# Altium PCB FD-KL-ASM-SUB-PCBA-MAIN.PcbDoc (part 2 of 4) (continued)
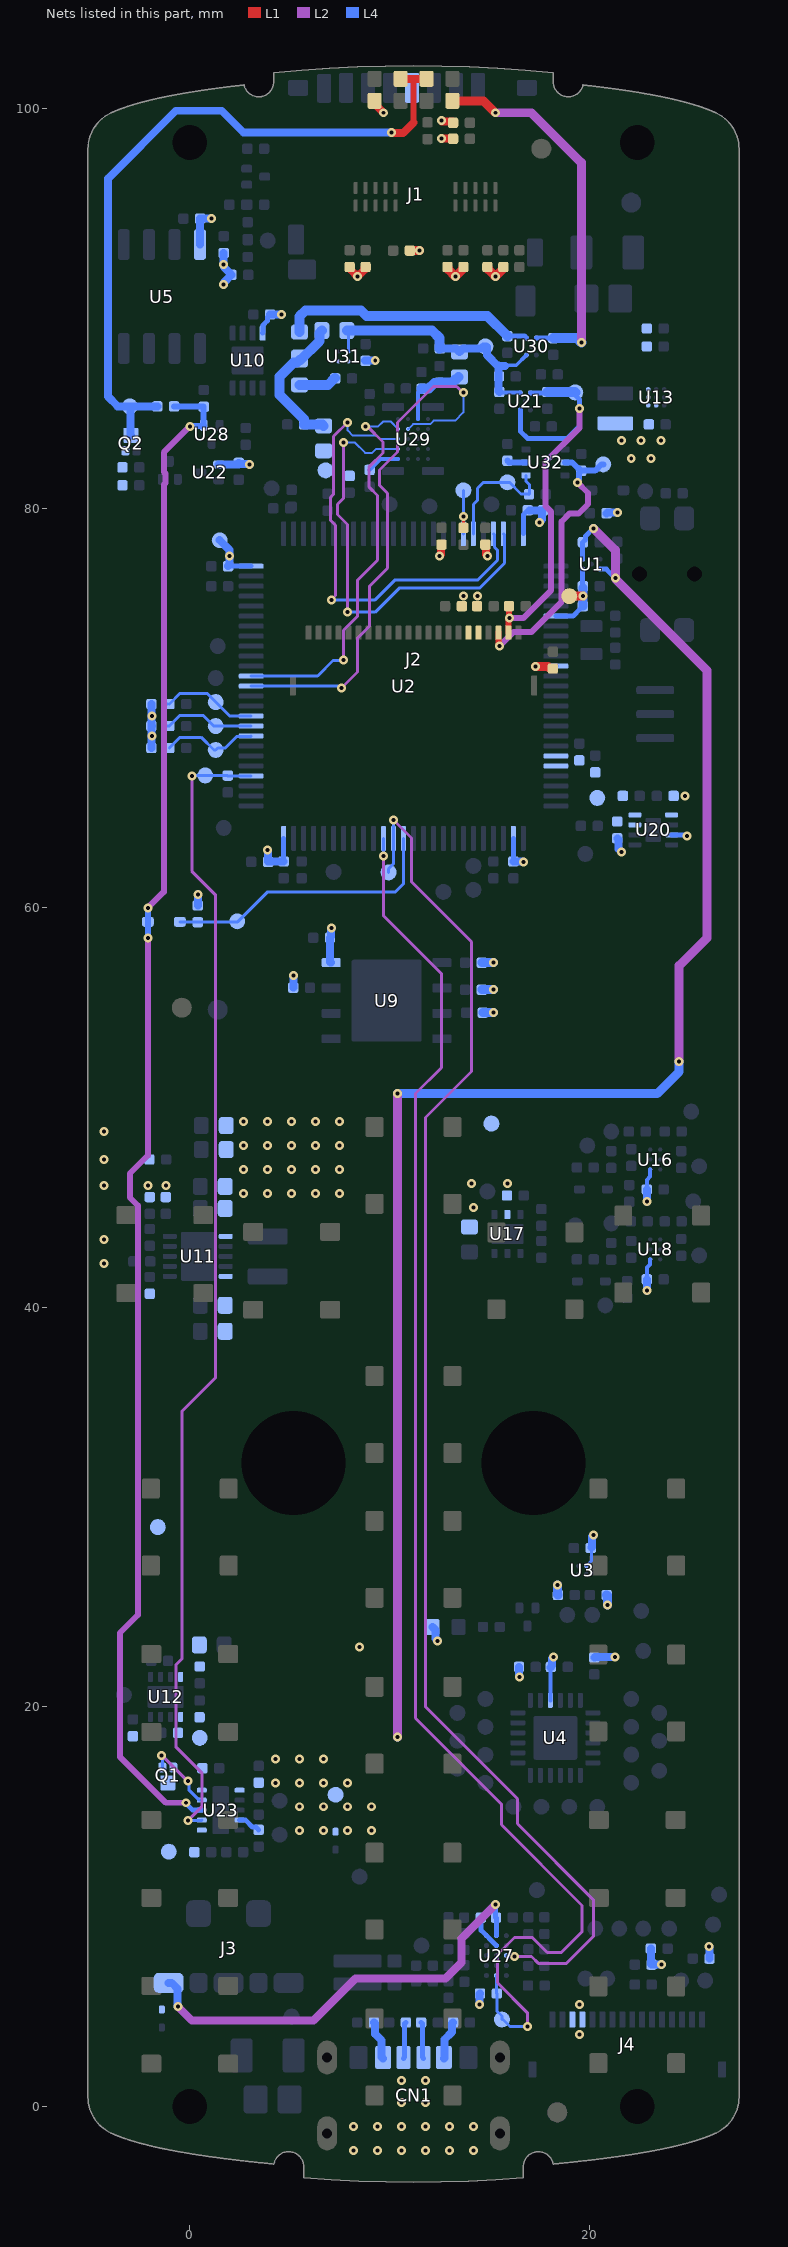
[diagram p4: the nets of this part, all layers, seen from the top]
## Part data (continued)
SW1 SW2 SW3 SW4 SW5 SW6 SW7 SW8 SW9 SW10 SW11 SW12 SW13 SW14 SW15 SW16 SW17 SW18: library part CMP-SWH-00003-1, "Tactile Switch SPST-NO Top Actuated Surface Mount", Contact Current(DC)-Max=50mA, Contact DC Max Rating R Load=0.05A@12VDC, Contact Resistance=0.05mR, Contact Voltage(DC)-Max=12V, Dielectric Withstand Volts=250VACV, Insulation Resistance=100MR, Manufacturer Series=PTS530, Max Operating Temperature=85°C, Min Operating Temperature=-40°C, Actuator Travel=0.2032mm, Actuator Type=Pushbutton, Body Breadth=4.4958inch, Body Height=0.5588mm, Body Length or Diameter=4.4958mm, ComponentLink1Description=Datasheet, ComponentLink1URL=https://www.ckswitches.com/media/1469/pts530.pdf, Electrical Life=1000000Cycles, JESD-609 Code=e4, Mount="Surface Mount", REACH SVHC=Yes, RoHS Compliant=Yes, Switch Action=MOMENTARY, Switch Function=SPST, Switch Type=Keypad, Terminal Finish=Silver, Termination=Solder
SW19: library part CMP-SWH-00004-1, "Tactile Switch SPST-NO Side Actuated Surface Mount, Right Angle", ComponentLink1Description=Drawing, ComponentLink1URL=http://spec_sheets.e-switch.com/specs/P410002.pdf, JESD-609 Code=e4, REACH SVHC=Yes, RoHS Compliant=Yes, Switch Type=Keypad, Terminal Finish=Silver
TP1 TP2 TP3 TP4 TP5 TP6 TP7 TP8 TP9 TP10 TP11 TP12 TP13 TP14 TP15 TP16 TP17 TP18 TP19 TP20 TP21 TP22 TP23 TP24 TP25 TP26 TP27 TP28 TP29 TP30 TP31 TP32 TP33 TP34 TP35 TP36 TP37 TP38 TP39 TP40 TP41 TP42 TP43 TP44 TP45 TP46 TP47 TP48 TP49 TP50 TP51 TP52 TP53 TP54 TP55 TP56 TP57 TP58 TP59 TP60 TP61 TP62 TP63 TP64 TP65 TP66 TP67 TP68 TP69 TP70 TP71 TP72 TP73 TP74 TP75 TP76 TP77 TP78 TP79 TP80 TP81 TP82 TP83 TP84 TP85: library part CMP-MECH-00011-2, "0.8mm round", Pins=1
U1: library part CMP-PMIC-00064-2, "Linear Voltage Regulator IC Positive Fixed 1 Output 2.0V 200mA 5-DSBGA (1x1.37)", Dropout Voltage1-Max=175mV, Dropout Voltage1-Nom=100mV, Input Voltage Absolute-Max=7V, Max Input Voltage=6.5V, Min Input Voltage=2.7V, Operating Temperature, TJ-Max=125°C, Operating Temperature, TJ-Min=-40°C, Output Current1-Max=200mA, Output Voltage1-Max=2.04V, Output Voltage1-Min=1.96V, Output Voltage1-Nom=2V, Package Code=VFBGA, Package Shape=Rectangular, Package Style="GRID ARRAY, VERY THIN PROFILE, FINE PITCHMeter", Peak Reflow Temperature (Cel)=260°C, Voltage Tolerance-Max=2%, Adjustability=FIXED, ComponentLink1Description=Datasheet, ComponentLink1URL=https://www.ti.com/lit/ds/sbvs056k/sbvs056k.pdf, Height - Seated (Max)=0.625mm, JESD-609 Code=e1, Length=1.53mm, Moisture Sensitivity Level=1, Number of Functions=1, Number of Outputs=1, Number of Terminals/Pins=5, Packaging="Tape and Reel", Qualification Status="Not Qualified", REACH SVHC=Yes, Regulator Type="FIXED POSITIVE SINGLE OUTPUT LDO REGULATOR", RoHS Compliant=Yes, Surface Mount=Yes, Technology=BICMOS, Terminal Finish=Copper, Terminal Form=Ball, Terminal Pitch=0.5mm, Terminal Position=BOTTOM, Width=1.195mm
U2: library part CMP-IC-CPU-00008-1, "ARM® Cortex®-M7 STM32H7 Microcontroller IC 32-Bit 480MHz 2MB (2M x 8) FLASH 100-LQFP (14x14)", Case/Package=LQFP, Max Frequency=400MHz, Max Operating Temperature=85°C, Max Supply Voltage=3.6V, Min Operating Temperature=-40°C, Min Supply Voltage=1.71V, Package Quantity=540, ComponentLink1Description=Datasheet, ComponentLink1URL=https://www.st.com/content/ccc/resource/technical/document/datasheet/group3/01/21/00/39/12/c9/4c/f1/DM00388325/files/DM00388325.pdf/jcr:content/translations/en.DM00388325.pdf, ComponentLink2Description="Reference Manual", ComponentLink2URL=https://www.st.com/resource/en/reference_manual/dm00314099-stm32h742-stm32h743-753-and-stm32h750-value-line-advanced-arm-based-32-bit-mcus-stmicroelectronics.pdf, ComponentLink3Description=Errata, ComponentLink3URL=https://www.st.com/resource/en/errata_sheet/dm00399555-stm32h750xb-and-stm32h753xi-device-limitations-stmicroelectronics.pdf, Core Architecture=ARM, Data Bus Width=32b, Interface=I2C,SPI,USB,CAN,SDIO,USART, Memory Size=2MB, Memory Type=FLASH, Number of ADC Channels=20, Number of I/Os=82, RAM Size=1MB
U3: library part CMP-IC-MEM-0006-1, "EEPROM Memory IC 4Kb (512 x 8) I²C 400kHz 900ns 4-WLCSP (0.84x0.86)", Frequency=400kHz, Max Operating Temperature=85°C, Max Supply Voltage=5.5V, Min Operating Temperature=-40°C, Min Supply Voltage=1.7V, Nominal Supply Current=2mA, Package Quantity=5000, Access Time=900ns, ComponentLink1Description=Datasheet, ComponentLink1URL=https://www.onsemi.com/pub/Collateral/CAT24C01-D.PDF, Density=4Kb, Halogen Free="Halogen Free", Interface=I2C,Serial,2-Wire, Lead Free="Lead Free", Max Frequency=400kHz, Memory Size=4KB, Memory Type=EEPROM, Mount="Surface Mount", Number of Pins=4, Packaging="Tape and Reel", Radiation Hardening=No
U4: library part CMP-IC-INT-0000-10, "I/O Expander 18 I²C 400kHz 24-LFCSP-WQ (4x4)", Case/Package="24-LFCSP-WQ (4x4)", Frequency=400kHz, Max Operating Temperature=85°C, Max Supply Current=200uA, Max Supply Voltage=3.6V, Min Operating Temperature=-40°C, Min Supply Voltage=1.65V, Package Quantity=1500, ComponentLink1Description=Datasheet, ComponentLink1URL=https://www.analog.com/media/en/technical-documentation/data-sheets/ADP5587.pdf, Interface=I2C, Lead Free="Contains Lead", Max Frequency=400kHz, Mount="Surface Mount", Nominal Supply Current=200uA, Number of I/Os=18, Number of Pins=24, Packaging="Tape and Reel", REACH SVHC="No SVHC"
U5: library part CMP-IC-MEM-0020-1, "Cryptographic Co-Processor with Secure Hardware-Based Key Storage 1-Wire Interface 8-Pin SOIC T/R", Case/Package="8-UDFN (2x3)", Max Operating Temperature=85°C, Min Operating Temperature=-40°C, Package Body Material=Plastic, Package Code=SOP, Package Shape=Rectangular, Package Style="SMALL OUTLINEMeter", Supply Voltage-Max (Vsup)=5.5V, Supply Voltage-Min (Vsup)=2V, Temperature Grade=INDUSTRIAL, Consumer IC Type="CONSUMER CIRCUIT", Height - Seated (Max)=1.75mm, JESD-30 Code=R-PDSO-G8, Length=4.9mm, Number of Functions=1, Number of Terminals/Pins=8, REACH SVHC=Yes, RoHS Compliant=No, Surface Mount=Yes, Technology=CMOS, Terminal Form="Gull Wing", Terminal Pitch=1.27mm, Terminal Position=DUAL, Width=3.9mm
U6 U7: library part CMP-DIO-0006-4, "TVS DIODE 3.3V 5V DFN2510A-10", Capacitance @ Frequency="0.17pF @ 1MHz", Case/Package=DFN2510A-10, Max Operating Temperature=85°C, Min Operating Temperature=-40°C, Bidirectional Channels=4, ComponentLink1Description=Datasheet, ComponentLink1URL=https://assets.nexperia.com/documents/data-sheet/PUSB3AB4.pdf, Type=Zener
U8 U14 U22 U26 U28: library part CMP-TRNST-0003-1, "N-Channel 20V 210mA (Ta) 310mW (Ta) Surface Mount SOT-723", Case/Package=SOT-723-3, Continuous Drain Current (ID)=210mA, Current Rating=225mA, Drain to Source Breakdown Voltage=20V, Drain to Source Resistance=3.4R, Gate to Source Voltage (Vgs)=10V, Input Capacitance=11pF, Max Operating Temperature=150°C, Max Power Dissipation=310mW, Min Operating Temperature=-55°C, Package Quantity=1, Power Dissipation=440mW, Threshold Voltage=400mV, Contact Plating=Tin,Matte, Drain to Source Voltage (Vdss)=20V, Element Configuration=Single, Fall Time=15ns, Height=0.55mm, Lead Free="Lead Free", Length=1.25mm, Mounting Technology="Surface Mount", Number of Elements=1, Number of Pins=3, On-State Resistance=3.4R, Packaging="Tape and Reel", Pins=3, Radiation Hardening=No, Rds On Max=3.4R, REACH SVHC="No SVHC", Rise Time=15ns, Transistor Type=N-Channel, Turn-Off Delay Time=94ns, Turn-On Delay Time=13ns, Vgs (Max)=10V, Vgs(th) (Max) @ Id="1.3V @ 250µA", Voltage Rating (DC)=20V, Width=0.85mm
U9: library part CMP-IC-MEM-0023-1, "FLASH - NOR Memory IC 64Mb (8M x 8) SPI - Quad I/O 133 MHz 8-WSON (6x5)", ComponentLink1Description=Datasheet, ComponentLink1URL=https://www.winbond.com/resource-files/w25q64jv%20revj%2003272018%20plus.pdf
U10: library part CMP-IC-MEM-0002-7, "Cryptographic Co-Processor with Secure Hardware-Based Key Storage 1-Wire Interface 8-Pin UDFN T/R", Case/Package="8-UDFN (2x3)"
U11: library part CMP-PMIC-00057-3, "Buck-Boost Switching Regulator IC Positive Adjustable 2.8V 1 Output 600mA 10-VFDFN Exposed Pad, CSP", Max Input Voltage=5.5V, Max Operating Temperature=85°C, Max Output Current=1.4A, Min Input Voltage=2.3V, Min Operating Temperature=-40°C, Nominal Input Voltage=3.6V, Package Body Material=Plastic, Package Code=HVSON, Package Equivalence Code=SOLCC10,.12,20, Package Shape=Square, Package Style="SMALL OUTLINE, HEAT SINK/SLUG, VERY THIN PROFILEMeter", Peak Reflow Temperature (Cel)=260°C, Switching Frequency-Max=2.9MHz, Temperature Grade=INDUSTRIAL, Time @ Peak Reflow Temperature-Max (s)=40s, Analog IC - Other Type="SWITCHING REGULATOR", ComponentLink1Description=Datasheet, ComponentLink1URL=https://www.analog.com/media/en/technical-documentation/data-sheets/ADP2503_2504.pdf, Control Mode=CURRENT-MODE, Control Technique="PULSE WIDTH MODULATION", Height - Seated (Max)=0.85mm, JESD-30 Code=S-PDSO-N10, JESD-609 Code=e3, Length=3mm, Moisture Sensitivity Level=3, Number of Functions=1, Number of Terminals/Pins=10, Qualification Status="Not Qualified", REACH SVHC=Yes, RoHS Compliant=Yes, Surface Mount=Yes, Switcher Configuration=BUCK-BOOST, Terminal Finish=Tin, Terminal Form="No Lead", Terminal Pitch=0.5mm, Terminal Position=DUAL, Width=3mm
U12: library part CMP-PMIC-00012-5, "Power Switch/Driver 1:1 P-Channel 400mA USP-8B06", Max Operating Temperature=85°C, Max Output Current=400mA, Min Operating Temperature=-40°C, ComponentLink1Description=Datasheet, ComponentLink1URL=https://www.torexsemi.com/file/xc6192/XC6192.pdf, Fault Protection="Short Circuit", Interface=On/Off, Number of Outputs=1, Output Configuration="High Side", Packaging="Tape and Reel"
U13: library part CMP-PMIC-00053-2, "Boost Switching Regulator IC Positive Fixed 5V 1 Output 3.9A (Switch) 9-UFBGA, DSBGA", Max Input Voltage=4.85V, Max Operating Temperature=85°C, Min Input Voltage=2.65V, Min Operating Temperature=-40°C, Nominal Input Voltage=3.6V, Nominal Output Voltage=5V, Package Body Material=Plastic, Package Code=VFBGA, Package Shape=Square, Package Style="GRID ARRAY, VERY THIN PROFILE, FINE PITCHMeter", Peak Reflow Temperature (Cel)=260°C, Switching Frequency-Max=3.5MHz, Temperature Grade=INDUSTRIAL, Analog IC - Other Type="SWITCHING REGULATOR", ComponentLink1Description=Datasheet, ComponentLink1URL=https://www.ti.com/lit/ds/symlink/tps61253.pdf?HQS=dis-dk-null-digikeymode-dsf-pf-null-wwe&ts=1624381388723&ref_url=https%253A%252F%252Fwww.ti.com%252Fgeneral%252Fdocs%252Fsuppproductinfo.tsp%253FdistId%253D10%2526gotoUrl%253Dhttps%253A%252F%252Fwww.ti.com%252Flit%252Fgpn%252Ftps61253, Control Mode=CURRENT-MODE, Control Technique="PULSE WIDTH MODULATION", Height - Seated (Max)=0.625mm, JESD-609 Code=e1, Length=1.6mm, Moisture Sensitivity Level=1, Number of Functions=1, Number of Terminals/Pins=9, Qualification Status="Not Qualified", REACH SVHC=Yes, RoHS Compliant=Yes, Surface Mount=Yes, Switcher Configuration=BOOST, Terminal Finish=Copper, Terminal Form=Ball, Terminal Pitch=0.4mm, Terminal Position=BOTTOM, Width=1.6mm
U16 U18: library part CMP-IC-AMP-0002-1, "General Purpose Amplifier 1 Circuit Rail-to-Rail 6-DSBGA (1.5x1.3)", Case/Package=SC, Input Bias Current=35nA, Input Offset Voltage (Vos)=4mV, Max Operating Temperature=125°C, Max Supply Voltage=5V, Min Operating Temperature=-40°C, Min Supply Voltage=1.8V, Nominal Supply Current=103uA, Operating Supply Current=116uA, Operating Supply Voltage=3V, Output Current=8mA, Output Current per Channel=100mA, Package Quantity=1000, Power Supply Rejection Ratio (PSRR)=75dB, Voltage Gain=113dB, Bandwidth=1.4MHz, Common Mode Rejection Ratio=50dB, ComponentLink1Description=Datasheet, ComponentLink1URL=http://www.ti.com/lit/ds/symlink/lmv981-n.pdf?ts=1588113028077, Contact Plating=Tin, Gain Bandwidth Product=1.5MHz, Height=0.9mm, Lead Free="Lead Free", Length=1.539mm, Mount="Surface Mount", Number of Amplifiers=1, Number of Channels=1, Number of Circuits=1, Number of Elements=1, Number of Pins=6, Packaging="Tape and Reel", Radiation Hardening=No, REACH SVHC=Yes, RoHS Compliant=Yes, Slew Rate=0.4V/µs, Unity Gain Bandwidth Product=1.5MHz, Weight=0.01lb, Width=1.031mm
U17: library part CMP-PMIC-00014-5, "LED Driver IC 1 Output DC DC Regulator Step-Up (Boost) PWM Dimming 30mA 6-WSON (2x2)", Frequency=750kHz, Max Input Voltage=5.5V, Max Operating Temperature=85°C, Max Output Current=30mA, Max Output Voltage=29V, Max Supply Current=1.65mA, Min Operating Temperature=-40°C, Min Output Voltage=2.7V, Nominal Input Voltage (DC)=3.6V, Package Quantity=3000, Quiescent Current=7mA, ComponentLink1Description=Datasheet, ComponentLink1URL=https://www.ti.com/lit/ds/symlink/tps61158.pdf?HQS=TI-null-null-digikeymode-df-pf-null-wwe&ts=1592340693466, Dimming=PWM, Lead Free="Lead Free", Max Supply Voltage=5.5V, Min Supply Voltage=2.7V, Mount="Surface Mount", Number of Channels=1, Number of Outputs=1, Number of Pins=6, Number of Segments=8, Output Current=30mA, Output Current per Channel=30mA, Output Voltage=29V, Packaging="Tape and Reel", Radiation Hardening=No, Switching Frequency=750kHz, Topology=Boost
U20: library part CMP-PMIC-00034-1, "Series Voltage Reference IC 2.5V ±0.1%  8-WDFN (2x2)", Max Operating Temperature=125°C, Max Output Voltage=2.5025V, Min Operating Temperature=-40°C, Min Output Voltage=2.4975V, Nominal Output Voltage=2.5V, Package Body Material=Plastic, Package Code=HVSON, Package Shape=Square, Package Style="SMALL OUTLINE, HEAT SINK/SLUG, VERY THIN PROFILEMeter", Peak Reflow Temperature (Cel)=260°C, Supply Voltage-Max (Vsup)=5.5V, Supply Voltage-Min (Vsup)=2.7V, Temp Coef of Voltage-Max=50ppm/°C, Temperature Grade=AUTOMOTIVE, Time @ Peak Reflow Temperature-Max (s)=30s, Analog IC - Other Type="THREE TERMINAL VOLTAGE REFERENCE", ComponentLink1Description=Datasheet, ComponentLink1URL=https://ww1.microchip.com/downloads/en/DeviceDoc/20005474E.pdf, Height - Seated (Max)=0.8mm, JESD-30 Code=S-PDSO-N8, JESD-609 Code=e3, Length=2mm, Number of Functions=1, Number of Outputs=1, Number of Terminals/Pins=8, Surface Mount=Yes, Terminal Finish=Tin, Terminal Form="No Lead", Terminal Pitch=0.5mm, Terminal Position=DUAL, Trim/Adjustable Output=No, Width=2mm
U21 U30: library part CMP-PMIC-00036-2, "Linear Voltage Regulator IC  1 Output  200mA 5-DSBGA (1x1.37)", Dropout Voltage1-Max=175mV, Dropout Voltage1-Nom=100mV, Input Voltage Absolute-Max=7V, Max Input Voltage=6.5V, Min Input Voltage=2.975V, Operating Temperature, TJ-Max=125°C, Operating Temperature, TJ-Min=-40°C, Output Current1-Max=200mA, Output Voltage1-Max=2.856V, Output Voltage1-Min=2.744V, Output Voltage1-Nom=2.8V, Package Code=VFBGA, Package Shape=Rectangular, Package Style="GRID ARRAY, VERY THIN PROFILE, FINE PITCHMeter", Peak Reflow Temperature (Cel)=260°C, Voltage Tolerance-Max=2%, Adjustability=FIXED, ComponentLink1Description=Datasheet, ComponentLink1URL=https://www.ti.com/lit/ds/sbvs056k/sbvs056k.pdf, Height - Seated (Max)=0.625mm, JESD-609 Code=e1, Length=1.53mm, Moisture Sensitivity Level=1, Number of Functions=1, Number of Outputs=1, Number of Terminals/Pins=5, Packaging="Tape and Reel", Qualification Status="Not Qualified", Regulator Type="FIXED POSITIVE SINGLE OUTPUT LDO REGULATOR", Surface Mount=Yes, Technology=BICMOS, Terminal Finish=Copper, Terminal Form=Ball, Terminal Pitch=0.5mm, Terminal Position=BOTTOM, Width=1.195mm
U23: library part CMP-PMIC-00058-2, "Charger IC Lithium Ion 10-WSON (3x2)", Max Operating Temperature=85°C, Min Operating Temperature=-40°C, Package Body Material=Plastic, Package Code=HVSON, Package Shape=Rectangular, Package Style="SMALL OUTLINE, HEAT SINK/SLUG, VERY THIN PROFILEMeter", Peak Reflow Temperature (Cel)=260°C, Supply Voltage-Max (Vsup)=28V, Supply Voltage-Min (Vsup)=3.55V, Supply Voltage-Nom (Vsup)=5V, Temperature Grade=INDUSTRIAL, Adjustable Threshold=Yes, Analog IC - Other Type="POWER SUPPLY SUPPORT CIRCUIT", ComponentLink1Description=Datasheet, ComponentLink1URL=https://www.ti.com/lit/ds/symlink/bq25050.pdf?ts=1629767592474&ref_url=https%253A%252F%252Fwww.ti.com%252Fproduct%252FBQ25050%253FkeyMatch%253DBQ25050%2526tisearch%253Dsearch-everything%2526usecase%253DGPN, Height - Seated (Max)=0.8mm, JESD-609 Code=e4, Length=3mm, Moisture Sensitivity Level=2, Number of Channels=2, Number of Functions=1, Number of Terminals/Pins=10, Qualification Status="Not Qualified", REACH SVHC=Yes, RoHS Compliant=Yes, Surface Mount=Yes, Terminal Finish=Nickel, Terminal Form="No Lead", Terminal Pitch=0.5mm, Terminal Position=DUAL, Width=2mm
U27: library part CMP-PMIC-00059-1, "Battery Battery Monitor IC Lithium Ion 15-DSBGA", Max Operating Temperature=85°C, Min Operating Temperature=-40°C, Package Code=VFBGA, Package Shape=Rectangular, Package Style="GRID ARRAY, VERY THIN PROFILE, FINE PITCHMeter", Peak Reflow Temperature (Cel)=260°C, Power Supplies=3.6V, Supply Voltage-Max (Vsup)=4.5V, Supply Voltage-Min (Vsup)=2.8V, Temperature Grade=INDUSTRIAL, Adjustable Threshold=No, Analog IC - Other Type="POWER SUPPLY MANAGEMENT CIRCUIT", ComponentLink1Description=Datasheet, ComponentLink1URL=https://www.ti.com/lit/ds/symlink/bq27520-g4.pdf?HQS=dis-dk-null-digikeymode-dsf-pf-null-wwe&ts=1629768663314&ref_url=https%253A%252F%252Fwww.ti.com%252Fgeneral%252Fdocs%252Fsuppproductinfo.tsp%253FdistId%253D10%2526gotoUrl%253Dhttps%253A%252F%252Fwww.ti.com%252Flit%252Fgpn%252Fbq27520-g4, Height - Seated (Max)=0.625mm, JESD-609 Code=e1, Length=2.61mm, Moisture Sensitivity Level=1, Number of Channels=1, Number of Functions=1, Number of Terminals/Pins=15, Qualification Status="Not Qualified", REACH SVHC=Yes, RoHS Compliant=Yes, Supply Voltage-Nom (Vsup)=3.6V, Surface Mount=Yes, Terminal Finish=Copper, Terminal Form=Ball, Terminal Pitch=0.5mm, Terminal Position=BOTTOM, Width=1.956mm
U29: library part CMP-SEN-0001-12, "SENSOR CAMERA CMOS 20CAMERACUBE", Max Operating Temperature=70°C, Min Operating Temperature=-30°C, Package Quantity=2500, Number of Pins=20, Packaging="Tape and Reel"
U31: library part CMP-PMIC-00044-1, "IC PWR SWITCH P-CHAN 1:1 4DSBGA", Peak Reflow Temperature (Cel)=260°C, Analog IC - Other Type=SPST, ComponentLink1Description=Datasheet, ComponentLink1URL=https://www.ti.com/lit/ds/symlink/tps22930a.pdf?HQS=dis-dk-null-digikeymode-dsf-pf-null-wwe&ts=1618591669570, JESD-609 Code=e1, Moisture Sensitivity Level=1, REACH SVHC=Yes, RoHS Compliant=Yes, Terminal Finish=Copper
U32: library part CMP-PMIC-00061-1, "LED Driver IC 1 Output Linear - PWM Dimming 350mA U-DFN2020-6", Peak Reflow Temperature (Cel)=260°C, Time @ Peak Reflow Temperature-Max (s)=30s, ComponentLink1Description=Datasheet, ComponentLink1URL=https://www.diodes.com/assets/Datasheets/BCR420UFD-BCR421UFD.pdf, Interface IC Type="LED DISPLAY DRIVER", JESD-609 Code=e3, REACH SVHC=Yes, RoHS Compliant=Yes, Terminal Finish=Tin
X1: library part CMP-XTAL-0006-1, "Parallel - Fundamental Quartz Crystal, 0.032768MHz Nom", Case/Package=SMD/SMT, Frequency=32.768kHz, Frequency Stability=0.0144%, Frequency Tolerance=20ppm, Load Capacitance=6pF, Max Operating Temperature=85°C, Min Operating Temperature=-40°C, Operating Frequency-Nom=0.032768, Series Resistance=90kR, Aging="3 PPM/FIRST YEAR", ComponentLink1Description=Datasheet, ComponentLink1URL=https://ecsxtal.com/store/pdf/ECX_12.pdf, Crystal/Resonator Type="PARALLEL - FUNDAMENTAL", Drive Level=0.5uW, JESD-609 Code=e4, Mount="Surface Mount", REACH SVHC=Yes, RoHS Compliant=Yes, Terminal Finish=Gold
X2: library part CMP-003-00030-6, "8MHz Ceramic Resonator Built in Capacitor 33pF ±0.2% 40 Ohms -40°C ~ 85°C Surface Mount", Capacitance=33pF, Case/Package=SMD/SMT, Frequency=8MHz, Frequency Stability=0.2%, Frequency Tolerance=0.5%, Max Operating Temperature=85°C, Min Operating Temperature=-40°C, ComponentLink1Description=Datasheet, ComponentLink1URL=https://www.murata.com/en/products/productdata/8801161740318/SPEC-CSTNE8M00G550000R0.pdf?src-supplier=Digi-Key, Composition=Ceramic, Impedance=40R, Mount="Surface Mount", Packaging="Tape and Reel"

## Free pads (board coordinates)
  round 0 hole 1.75 unplated: 2(0,0) 2(0,98.3) 2(22.4,0) 2(22.4,98.3)
  round 0 hole 5.2 unplated: 2(5.2,32.2) 2(17.2,32.2)

## Via types
v1: diameter 0.45, hole 0.2, L1 to L4, tented both sides, 530 vias

## Nets (pads, with @x,y where several pads share a name; then routed paths per layer and width w, separated by ;. In a path a pad name is that pad's centre, name@x,y a point inside that pad or via, vN(x,y) a via of type N, cw(c..) or ccw(c..) an arc to the next point about the centre after c; other vN are vias at no path point)
+2V5_VREF: C5.2 C51.1 C59.1 R62.1 TP19.1 U2.20 U2.21 U20.7 U20.8
+2V8: C6.2 C7.2 C8.2 C9.2 C10.2 C11.2 C12.2 C14.1 C15.1 C16.1 C20.1 C22.1 C23.1 C24.1 C26.1 C27.1 C28.1 C31.1 C32.1 C36.1 C40.1 C43.2 C48.2 C50.1 C54.1 C60.1 C85.1 J1.4 J2.17 J2.18 J4.13 J4.14 L2.1 L4.1 LED1.A LED8.A R2.2 R3.2 R7.2 R10.2 R11.2 R12.2 R13.2 R14.1 R15.1 R16.1 R17.1 R18.1 R19.1 R20.1 R21.1 R22.2 R26.2 R30.2 R35.2 R36.2 R37.1 R55.2 R56.1 R58.2 R59.2 R60.2 R62.2 R63.2 R66.2 R70.2 R90.1 TP20.1 TP62.1 U2.11 U2.27 U2.50 U2.75 U2.100 U3.A1 U4.21 U5.8 U9.8 U10.8 U11.1 U13.A3 U13.B3 U16.A1 U17.2 U18.A1 U20.1 U20.3 U22.1 U31.A2 | length 48.7
  L1 w0.4: R17.1@8,92.08 8.06,92.02 8.06,91.94 v1(8.4,91.6) 8.74,91.94 8.74,92.02 R16.1@8.8,92.08 ; LED1.A@9.15,100.4 9.15,100.35 v1(9.7,99.8) ; v1(12.5,77.6) 12.5,77.614 12.569,77.682 12.569,78.149 R55.2@12.6,78.18 ; v1(12.6,98.5) C16.1@13.18,98.5 ; v1(12.6,99.4) 12.638,99.362 13.118,99.362 C15.1@13.18,99.3 ; R7.2@14.741,78.2 14.751,78.2 14.831,78.12 14.831,77.682 14.9,77.614 v1(14.9,77.6)
  L1 w0.45: R20.1@11.02,92.9 v1(11.505,92.9) ; R21.1@12.9,92.08 12.935,92.045 12.935,91.965 v1(13.3,91.6) 13.338,91.638 13.665,91.965 13.665,92.045 R19.1@13.7,92.08 ; R18.1@14.9,92.08 14.935,92.045 14.935,91.965 15.262,91.638 v1(15.3,91.6) 15.338,91.638 15.665,91.965 15.665,92.045 R22.2@15.7,92.08 ; v1(17.3,72.091) 17.925,72.091 18.001,72.015 18.142,72.015 C8.2@18.177,71.98
  L4 w0.15: U3.A1@19.85,27.05 20.1,27.3 C60.1@20.1,27.98
  L4 w0.2: C85.1@8.77,87.35 C85.1@8.8,87.38 ; U4.21@18.05,20.325 C14.1@18.05,21.97 ; C48.2@22.89,41.39 22.9,41.4 22.9,42 23.05,42.15 U18.A1@23.05,42.4 ; C43.2@22.89,45.89 C43.2@22.88,45.9 22.88,46.38 23.048,46.548 23.048,46.898 U16.A1@23.05,46.9
  L4 w0.25: C11.2@1.97,77.1 U2.75@3.075,77.1 ; U10.8@3.65,88.77 3.675,88.795 3.675,89.175 3.885,89.385 3.885,89.565 C26.1@3.988,89.668 ; C10.2@4.7,62.32 U2.50@4.7,63.475 ; U2.27@16.2,63.475 C9.2@16.2,62.32 C9.2@16.21,62.31 ; U2.100@16.7,78.725 16.7,79.68 C12.2@16.92,79.9 ; v1(17.3,72.091) 17.309,72.1 U2.11@18.325,72.1 ; U20.3@24.12,63.65 24.782,63.65 24.832,63.6 v1(24.9,63.6)
  L4 w0.4: R58.2@-1.92,69.1 -1.91,69.09 -1.91,68.61 v1(-1.9,68.6) -1.91,68.59 R2.2@-1.91,67.99 ; R63.2@-1.92,70.2 -1.91,70.19 -1.91,69.61 v1(-1.9,69.6) ; R58.2@-1.9,69.093 -1.91,69.103 -1.91,69.57 v1@-1.89,69.59 ; R90.1@0.4,60.12 v1(0.4,60.671) ; U5.8@0.505,93.2 C28.1@0.505,94.485 ; C28.1@0.51,94.5 C28.1@0.52,94.5 v1(1.1,94.5) ; U22.1@1.45,82.2 2.45,82.2 R56.1@2.485,82.235 ; TP62.1@1.5,78.4 1.99,77.91 1.99,77.61 v1(2,77.6) 2,77.586 1.98,77.566 1.98,77.16 C11.2@1.92,77.1 ; v1(1.7,91.2) 1.71,91.21 1.71,91.31 R26.2@2.088,91.688 1.71,92.066 1.71,92.19 v1(1.7,92.2) R66.2@1.7,92.78 ; R56.1@2.45,82.27 R56.1@2.485,82.235 ; v1(3,82.2) 2.986,82.2 2.976,82.21 2.51,82.21 R56.1@2.485,82.235 ; v1@3.91,62.89 3.91,62.32 C10.2@4.7,62.32 ; C26.1@4.02,89.7 v1(4.6,89.7) ; R59.2@5.18,56 5.19,56.01 5.19,56.59 v1(5.2,56.6) ; U9.8@7.08,57.255 7.045,57.255 7.02,57.28 C20.1@7.02,58.5 7.08,58.56 7.08,58.966 7.1,58.986 v1(7.1,59) ; C85.1@8.773,87.4 v1@9.258,87.4 ; LED8.A@12.15,24 12.3,23.85 12.3,23.414 12.4,23.314 v1(12.4,23.3) ; v1(14.5,5.1) 14.515,5.115 14.515,5.635 R70.2@14.53,5.65 ; C9.2@16.21,62.31 v1@16.69,62.31 ; R13.2@16.48,22 16.49,21.99 16.49,21.51 v1(16.5,21.5) ; C12.2@17,79.88 17.66,79.88 17.634,79.854 17.634,79.44 17.5,79.306 v1(17.5,79.3) ; C14.1@18.05,21.97 C14.1@18.08,22 18.14,22.06 18.14,22.426 18.2,22.486 v1(18.2,22.5) ; C60.1@20.1,27.98 20.13,28.01 20.13,28.516 20.2,28.586 v1(20.2,28.6) ; R12.2@20.25,22.47 20.28,22.5 v1(21.275,22.5) ; R37.1@20.87,79.75 20.91,79.79 21.39,79.79 v1(21.4,79.8) ; R62.2@21.4,63.48 21.46,63.42 21.46,62.954 21.6,62.814 v1(21.6,62.8) ; C48.2@22.89,41.39 22.89,40.851 v1(22.9,40.842) ; v1@22.89,45.31 C43.2@22.89,45.89 ; R15.1@23.08,7.9 23.1,7.88 23.1,7.12 R3.2@23.12,7.1 R3.2@23.12,7.1 23.603,7.102 v1(23.605,7.104) ; v1(26,8) 26.01,7.99 26.01,7.41 R14.1@26.02,7.4
  L4 w0.45: R35.2@14.62,55.9 v1(15.2,55.9) ; R36.2@14.62,57.25 v1(15.2,57.25) ; R60.2@14.67,54.75 v1(15.2,54.75) ; v1(18.4,26.1) 18.4,25.63 R10.2@18.43,25.6 ; R11.2@20.87,25.6 20.9,25.57 v1(20.9,25.1)
  other v1: 19.5,3.6 19.5,5.1 8.5,23 14.2,45 22.9,45.3 2.7,45.7 3.9,45.7 5.1,45.7 6.3,45.7 7.5,45.7 -2.1,46.1 -1.2,46.1 14.1,46.2 15.9,46.2 2.7,46.9 3.9,46.9 5.1,46.9 6.3,46.9 7.5,46.9 2.7,48.1 3.9,48.1 5.1,48.1 6.3,48.1 7.5,48.1 2.7,49.3 3.9,49.3 5.1,49.3 6.3,49.3 7.5,49.3 16.7,62.3 3.9,62.9 24.8,65.6 13.7,75.6 14.4,75.6 22.1,82.5 23.1,82.5 21.6,83.4 22.6,83.4 23.6,83.4 9.285,87.4
+2V8_CAM_AVDD: C4.1 C75.1 L6.2 R69.2 R79.1 TP65.1 U21.C1 U30.A1 U31.B2 | length 14
  L4 w0.15: U31.B2@7.95,87.85 7.95,88.65 R79.1@8.028,88.728
  L4 w0.2: 15.377,87.077 15.46,87.16 ; C4.1@15.56,85.793 16.54,85.793 U21.C1@16.55,85.783 ; 15.781,87.12 15.781,87.16 16.343,87.16 U30.A1@16.85,87.667
  L4 w0.4: C75.1@12.519,88.001 C75.1@12.52,88 13.325,88 L6.2@13.5,87.825 13.675,88 14.592,88 14.692,88.1 TP65.1@14.8,88.1 ; TP65.1@14.841,88.1 14.877,88.064 14.877,87.673 15.46,87.09 ; R69.2@15.46,86.6 15.46,85.86 C4.1@15.5,85.82 ; R69.2@15.46,86.62 15.46,87.16 ; 15.535,87.12 15.781,87.12
  L4 w0.5: R79.1@7.862,88.895 7.982,88.895 7.987,88.899 12.126,88.899 12.513,88.512 12.513,88.007 C75.1@12.519,88.001
+2V8_CAM_DVDD: C70.1 L5.1 R71.2 R72.2 R79.2 | length 6.9
  L4 w0.5: 5.71,84.465 4.5,85.675 4.5,86.6 5.2,87.3 5.375,87.3 R72.2@5.5,87.425 5.55,87.425 6.487,88.362 6.487,88.77 R79.2@6.612,88.895 ; C70.1@5.72,84.2 5.73,84.19 6.635,84.19 L5.1@6.7,84.125
+2V8_CAM_DVDD_FET: C86.1 R72.1 U31.A1 | length 1.9
  L4 w0.5: R72.1@5.5,86.175 6.914,86.175 C86.1@7.26,86.52
+2V8_CAM_DVDD_LDO: C83.1 R71.1 U30.C1 | length 12.8
  L4 w0.25: C83.1@15.914,88.62 16.763,88.62 U30.C1@16.85,88.533
  L4 w0.5: R71.1@5.5,88.825 5.5,89.609 5.793,89.902 8.567,89.902 8.844,89.625 14.895,89.625 C83.1@15.9,88.62 C83.1@15.914,88.62
+5V0: C3.1 C35.1 C37.1 C81.1 C82.1 J2.21 LED2.A TP11.1 U13.A1 U13.A2 U21.A1 U21.C3 U30.C3 | length 41.4
  L1 w0.3: J2.21@15.95,73.775 15.95,74.409 16,74.459 v1(16,74.5) 15.99,74.51 15.99,75.09 C37.1@15.98,75.1
  L1 w0.45: LED2.A@13.25,100.4 14.7,100.4 v1(15.3,99.8)
  L2 w0.3: v1(16,74.5) 16.7,74.5 18.077,75.877 18.077,79.845 17.8,80.121 17.8,82.314 19.5,84.014 v1(19.5,85)
  L2 w0.45: v1(15.3,99.8) 17.1,99.8 19.6,97.3 v1(19.6,88.3)
  L4 w0.25: U21.A1@16.55,84.917 16.55,83.856 16.906,83.5 18.9,83.5 19.5,84.1 v1(19.5,85) 19.5,85.451 19.3,85.651 TP11.1@19.3,85.8 ; U21.C3@17.05,85.783 17.937,85.783 C3.1@17.95,85.77 ; U30.C3@17.35,88.533 C82.1@18.187,88.533
  L4 w0.5: C3.1@17.9,85.82 17.91,85.81 19.29,85.81 TP11.1@19.3,85.8 ; C82.1@18.2,88.52 19.38,88.52 v1(19.6,88.3)
+DCMI_AVDD: C73.1 C74.1 L6.1 U29.A2 | length 3.7
  L4 w0.2: U29.A2@11.429,84.465 11.429,85.807 11.6,85.978 C73.1@11.6,85.98
  L4 w0.5: C73.1@11.6,85.98 11.61,85.99 11.965,85.99 12.245,86.27 12.49,86.27 C74.1@12.5,86.28 ; C74.1@12.51,86.29 13.115,86.29 13.275,86.45 13.325,86.45 L6.1@13.45,86.575
+DCMI_DOVDD: C71.1 C72.1 L5.2 TP64.1 U29.E4 | length 1.7
  L4 w0.2: C72.1@9,81.92 9.545,82.465 U29.E4@10.429,82.465
+VBAT: C29.1 C44.1 C65.2 C87.1 Q1.2 R31.2 TP12.1 U1.A1 U1.C3 U12.1 U23.10 U27.D2 U27.E1 | length 81.3
  L2 w0.45: v1(10.4,18.5) v1(10.4,50.7) ; v1(20.2,79) 21.3,77.9 v1(21.3,76.5) 21.3,76.475 25.9,71.875 25.9,58.5 24.5,57.1 v1(24.5,52.3)
  L4 w0.25: C65.2@14.585,9.435 14.585,8.815 U27.D2@15.35,8.05 ; U1.C3@19.667,77.45 19.667,78.287 C87.1@19.68,78.3 19.815,78.435 19.815,78.615 v1(20.2,79) ; U1.A1@20.533,76.95 20.85,76.95 v1(21.3,76.5)
  L4 w0.45: v1(10.4,50.7) 23.4,50.7 24.5,51.8 v1(24.5,52.3)
+VBAT_MCU: C56.2 C89.1 TP85.1 U1.C1 U2.6 | length 4.1
  L1 w0.45: TP85.1@19,75.6 v1(19.68,75.6)
  L4 w0.25: U2.6@18.325,74.6 19.18,74.6 19.545,74.965 C56.2@19.68,75.1 ; U1.C1@19.667,76.95 19.667,76.013 C89.1@19.68,76
  L4 w0.45: C56.2@19.68,75.1 19.68,75.62 C89.1@19.68,76
+VBUS: C2.2 C34.2 C38.2 C80.2 CN1.A9 CN1.B9 D5.C Q2.2 R38.1 R39.1 TP67.1 U23.1 | length 4
  L4 w0.4: C34.2@9.22,4.2 9.28,4.14 9.28,3.62 9.608,3.292 9.608,2.472 CN1.A9@9.68,2.4 ; CN1.B9@12.72,2.4 12.741,2.421 12.741,3.341 13.12,3.72 13.12,4.14 C2.2@13.18,4.2
  other v1: 8.2,-2.2 9.4,-2.2 10.6,-2.2 11.8,-2.2 13,-2.2 14.2,-2.2 8.2,-1 9.4,-1 10.6,-1 11.8,-1 13,-1 14.2,-1 10.6,0.2 11.8,0.2 10.6,1.3 11.8,1.3 5.5,13.8 6.7,13.8 7.9,13.8 9.1,13.8 5.5,15 6.7,15 7.9,15 9.1,15 4.3,16.2 5.5,16.2 6.7,16.2 7.9,16.2 4.3,17.4 5.5,17.4 6.7,17.4 -4.3,42.2 -4.3,43.4 -4.3,46.1 -4.3,47.4 -4.3,48.8
+VBUS_LED: LED9.A LED10.A Q2.3 R65.1 TP10.1 | length 36.1
  L1 w0.3: 11.2,99.3 11.2,101.5
  L1 w0.4: v1(10.1,98.8) 10.114,98.8 10.139,98.775 10.675,98.775 11.2,99.3 ; LED10.A@10.45,101.5 11.2,101.5 LED9.A@11.95,101.5
  L4 w0.4: TP10.1@-2.975,85.025 -2.975,83.675 Q2.3@-2.95,83.65 ; R65.1@-1.625,85.1 TP10.1@-3,85.1 -3.007,85.107 -3.607,85.107 -4.1,85.6 -4.1,96.5 -0.7,99.9 1.6,99.9 2.7,98.8 v1(10.1,98.8)
+VIN: C19.1 C25.1 C30.1 C78.1 R29.2 R75.1 TP82.1 U11.5 U12.8
+VPACK: C62.1 C79.1 D6.C J3.3 Q1.3 TP16.1 U23.6 U27.E2 | length 22.3
  L2 w0.4: v1(-0.6,5) 0.1,4.3 6.2,4.3 8.3,6.4 12.8,6.4 13.6,7.2 13.6,8.4 v1(15.3,10.1)
  L4 w0.25: v1(15.3,10.1) 15.315,10.085 15.315,9.465 C79.1@15.33,9.45 15.35,9.43 U27.E2@15.35,8.55
  L4 w0.4: J3.3@-1.055,6.185 -0.906,6.185 -0.61,5.889 -0.61,5.01 v1(-0.6,5)
BKLED_C: C39.1 J2.20 TP14.1 U32.2 | length 14.6
  L1 w0.3: J2.20@15.45,73.775 15.45,73.191 15.5,73.141 v1(15.5,73.1)
  L2 w0.3: v1(15.5,73.1) 16.2,73.8 17.1,73.8 18.612,75.312 18.612,79.339 19.002,79.729 19.459,79.729 19.933,80.203 19.933,80.767 v1(19.4,81.3)
  L4 w0.3: U32.2@18.775,82.3 19.132,82.3 19.442,81.99 19.49,81.99 C39.1@19.6,81.88 ; v1(19.4,81.3) 19.4,81.341 19.49,81.431 19.49,81.77 C39.1@19.6,81.88 ; TP14.1@20.7,82.2 20.613,82.2 20.293,81.88 C39.1@19.6,81.88
BKLED_EN: R40.1 TP15.1 U2.95 U32.4 | length 6.3
  L4 w0.15: U2.95@14.2,78.725 14.2,80.2 14.4,80.4 14.4,81 14.7,81.3 TP15.1@15.9,81.3 16,81.3 16.583,80.717 16.963,80.717 R40.1@16.98,80.7 17.003,80.723 17.003,81.183 16.825,81.36 U32.4@16.825,81.65
BKLED_REXT: R41.1 U32.5 | length 1
  L4 w0.3: R41.1@15.9,82.38 15.98,82.3 U32.5@16.825,82.3
BOOT0: R4.2 TP38.1 U2.94 | length 2.8
  L1 w0.15: R4.2@13.7,79.02 v1(13.7,79.6)
  L4 w0.15: U2.94@13.7,78.725 v1(13.7,79.6) TP38.1@13.7,80.9
BRDREV0: R2.1 R64.2 TP53.1 U2.58 | length 4.9
  L4 w0.15: R64.2@-1.02,68 -1.02,68.008 -0.493,68.535 0.572,68.535 1.207,67.9 TP53.1@1.3,67.9 1.403,68.003 1.781,68.003 2.361,68.582 3.057,68.582 U2.58@3.075,68.6
BRDREV1: R58.1 R67.2 TP54.1 U2.59 | length 4.6
  L4 w0.15: R67.2@-1.112,69.1 R67.2@-1.02,69.1 -1.02,69.108 -0.493,69.635 0.665,69.635 1.2,69.1 U2.59@3.075,69.1
BRDREV2: R63.1 R68.2 TP55.1 U2.60 | length 4.9
  L4 w0.15: R68.2@-1.216,70.2 R63.1@-1.08,70.2 ; R68.2@-1.02,70.2 -1.02,70.208 -0.493,70.735 0.865,70.735 1.285,70.315 2,69.6 U2.60@3.075,69.6
CC1: CN1.A5 R28.2 | length 1.8
  L4 w0.25: R28.2@11.58,4.2 11.64,4.14 11.64,2.46 CN1.A5@11.7,2.4
CC2: CN1.B5 R23.2 | length 1.8
  L4 w0.25: CN1.B5@10.7,2.4 10.76,2.46 10.76,4.14 R23.2@10.82,4.2
CHG_BAT_LOW: TP72.1 U2.39 U27.C3 | length 69.9
  L2 w0.15: v1(10.2,64.4) 11.1,63.5 11.1,61.3 14.1,58.3 14.1,51.8 11.8,49.5 11.8,20 16.4,15.4 16.4,14.15 20.2,10.35 20.2,8.5 18.862,7.162 17.45,7.162 17.112,7.5 v1@16.1,7.5
  L4 w0.15: TP72.1@9.95,61.775 9.95,61.951 10.2,62.201 U2.39@10.2,63.475 v1(10.2,64.4) ; U27.C3@15.85,7.55 15.869,7.531 16.227,7.531 v1(16.258,7.5)
CHG_BGATE: Q1.1 U23.9 | length 3.8
  L2 w0.15: v1(-1.414,17.553) -1.384,17.553 -0.13,16.3 v1(-0.1,16.3)
  L4 w0.15: v1(-1.414,17.553) -1.375,17.514 Q1.1@-1.375,16.965 ; v1(-0.1,16.3) -0.049,16.249 -0.049,15.85 0.475,15.326 U23.9@0.6,15.326
CHG_CTRL: R91.1 TP69.1 U2.54 U23.7 | length 58.1
  L2 w0.15: v1(-0.1,14.3) 0.6,15 0.6,16.7 -0.7,18 -0.7,22.1 -0.4,22.4 -0.4,34.788 1.3,36.488 1.3,60.633 0.1,61.833 v1(0.1,66.6)
  L4 w0.15: v1(-0.1,14.3) -0.087,14.313 0.587,14.313 U23.7@0.6,14.326 ; v1(0.1,66.6) 0.112,66.612 0.767,66.612 0.775,66.62 R91.1@1.9,66.62 ; R91.1@1.9,66.6 U2.54@3.075,66.6
CHG_LDO: C61.1 U23.4 | length 1.1
  L4 w0.25: U23.4@2.5,14.326 2.798,14.326 3.143,13.981 3.315,13.981 C61.1@3.45,13.846
CHG_SOC_INT: R70.1 TP71.1 U2.40 U27.A2 | length 73.2
  L2 w0.15: v1(9.7,62.6) 9.7,59.6 12.6,56.7 12.6,52 11.3,50.7 11.3,19.431 15.6,15.131 15.6,14.1 19.638,10.062 19.638,8.738 18.6,7.7 17.9,7.7 17.15,8.45 16.25,8.45 15.4,7.6 15.4,6.8 15.4,6.191 16.9,4.691 v1(16.9,4)
  L4 w0.15: v1(9.7,62.6) U2.40@9.7,63.475 ; U27.A2@15.35,6.55 15.35,5.65 R70.1@15.37,5.63 ; R70.1@15.37,5.65 R70.1@15.37,5.63 ; v1(16.9,4) 16.035,4 15.685,4.35 TP71.1@15.625,4.35 15.625,4.526 15.37,4.781 R70.1@15.37,5.63
CHG_STAT_B: D4.A R90.2 TP68.1 U2.38 | length 14.3
  L4 w0.15: D4.A@-0.5,59.3 0.4,59.3 2.4,59.3 3.9,60.8 10.3,60.8 10.7,61.2 U2.38@10.7,63.475
CHG_STAT_B_D: D4.C R34.1 R65.2 U23.8 U28.1 | length 76.8
  L2 w0.3: v1(-2.1,58.5) -2.1,47.6 -3,46.7 -3,45.5 -2.6,45.1 -2.6,24.597 -3.5,23.697 -3.5,17.5 -1.2,15.2 v1(-0.2,15.2) ; v1(-2.1,60) -1.3,60.8 -1.3,81.187 -1.225,81.262 -1.225,81.738 -1.3,81.813 -1.3,82.8 v1(0,84.1)
  L4 w0.25: v1(-0.2,15.2) -0.2,15.172 0.146,14.826 U23.8@0.6,14.826
  L4 w0.3: v1(-2.1,58.5) D4.C@-2.1,59.3 v1(-2.1,60) ; R65.2@-0.785,85.1 0.68,85.1 0.69,85.09 0.69,84.16 U28.1@0.7,84.15 0.675,84.125 0.025,84.125 v1(0,84.1)
DCMI_D0: U2.63 U29.B3 | length 27.6
  L2 w0.15: v1(7.6,71) 8.4,71.8 8.4,73.5 9,74.1 9,76.1 9.9,77 9.9,80.752 9.5,81.152 9.5,81.916 10.4,82.816 10.4,84.3 12.2,86.1 13.364,86.1 13.664,85.8 v1(13.7,85.8)
  L4 w0.1: U29.B3@10.929,83.965 11.179,84.215 12.033,84.215 12.203,84.385 13.285,84.385 13.7,84.8 v1(13.7,85.8)
  L4 w0.15: U2.63@3.075,71.1 7.419,71.1 7.519,71 v1(7.6,71)
DCMI_D1: U2.64 U29.B4 | length 20.1
  L2 w0.15: v1(7.7,72.4) 7.7,73.893 8.4,74.593 8.4,76.4 9.4,77.4 9.4,80.635 8.978,81.057 8.978,82.075 9.668,82.764 9.668,83.314 8.881,84.1 v1(8.8,84.1)
  L4 w0.1: v1(8.8,84.1) 9.432,84.1 9.675,84.343 10.051,84.343 U29.B4@10.429,83.965
  L4 w0.15: U2.64@3.075,71.6 6.4,71.6 7.175,72.375 7.675,72.375 v1(7.7,72.4)
DCMI_D2: U2.97 U29.C4 | length 23.1
  L2 w0.15: v1(7.1,75.4) 7.1,75.438 7.3,75.638 7.3,79.15 7.05,79.4 7.05,80.55 7.2,80.7 7.2,83.6 v1(7.9,84.3)
  L4 w0.1: v1(7.9,84.3) 7.9,83.9 8.159,83.641 9.359,83.641 9.535,83.465 U29.C4@10.429,83.465
  L4 w0.15: v1(7.1,75.4) 9.257,75.4 10.257,76.4 14.4,76.4 15.4,77.4 15.4,77.9 15.25,78.05 15.25,78.675 U2.97@15.2,78.725
DCMI_D3: U2.98 U29.D4 | length 22.2
  L2 w0.15: v1(7.7,83.3) 7.7,80.5 7.4,80.2 7.4,79.687 7.9,79.187 v1(7.9,74.8)
  L4 w0.1: v1(7.7,83.3) 8.247,83.3 8.773,82.774 9.128,82.774 9.319,82.965 U29.D4@10.429,82.965
  L4 w0.15: v1(7.9,74.8) 9.283,74.8 10.483,76 14.5,76 15.75,77.25 15.75,78.675 U2.98@15.7,78.725